# Allegro board RK3588S_Template_LP4XD200P232SD10H2_30X30_2133MHz_H1R0_V11_20220218YWQ.brd (continued)
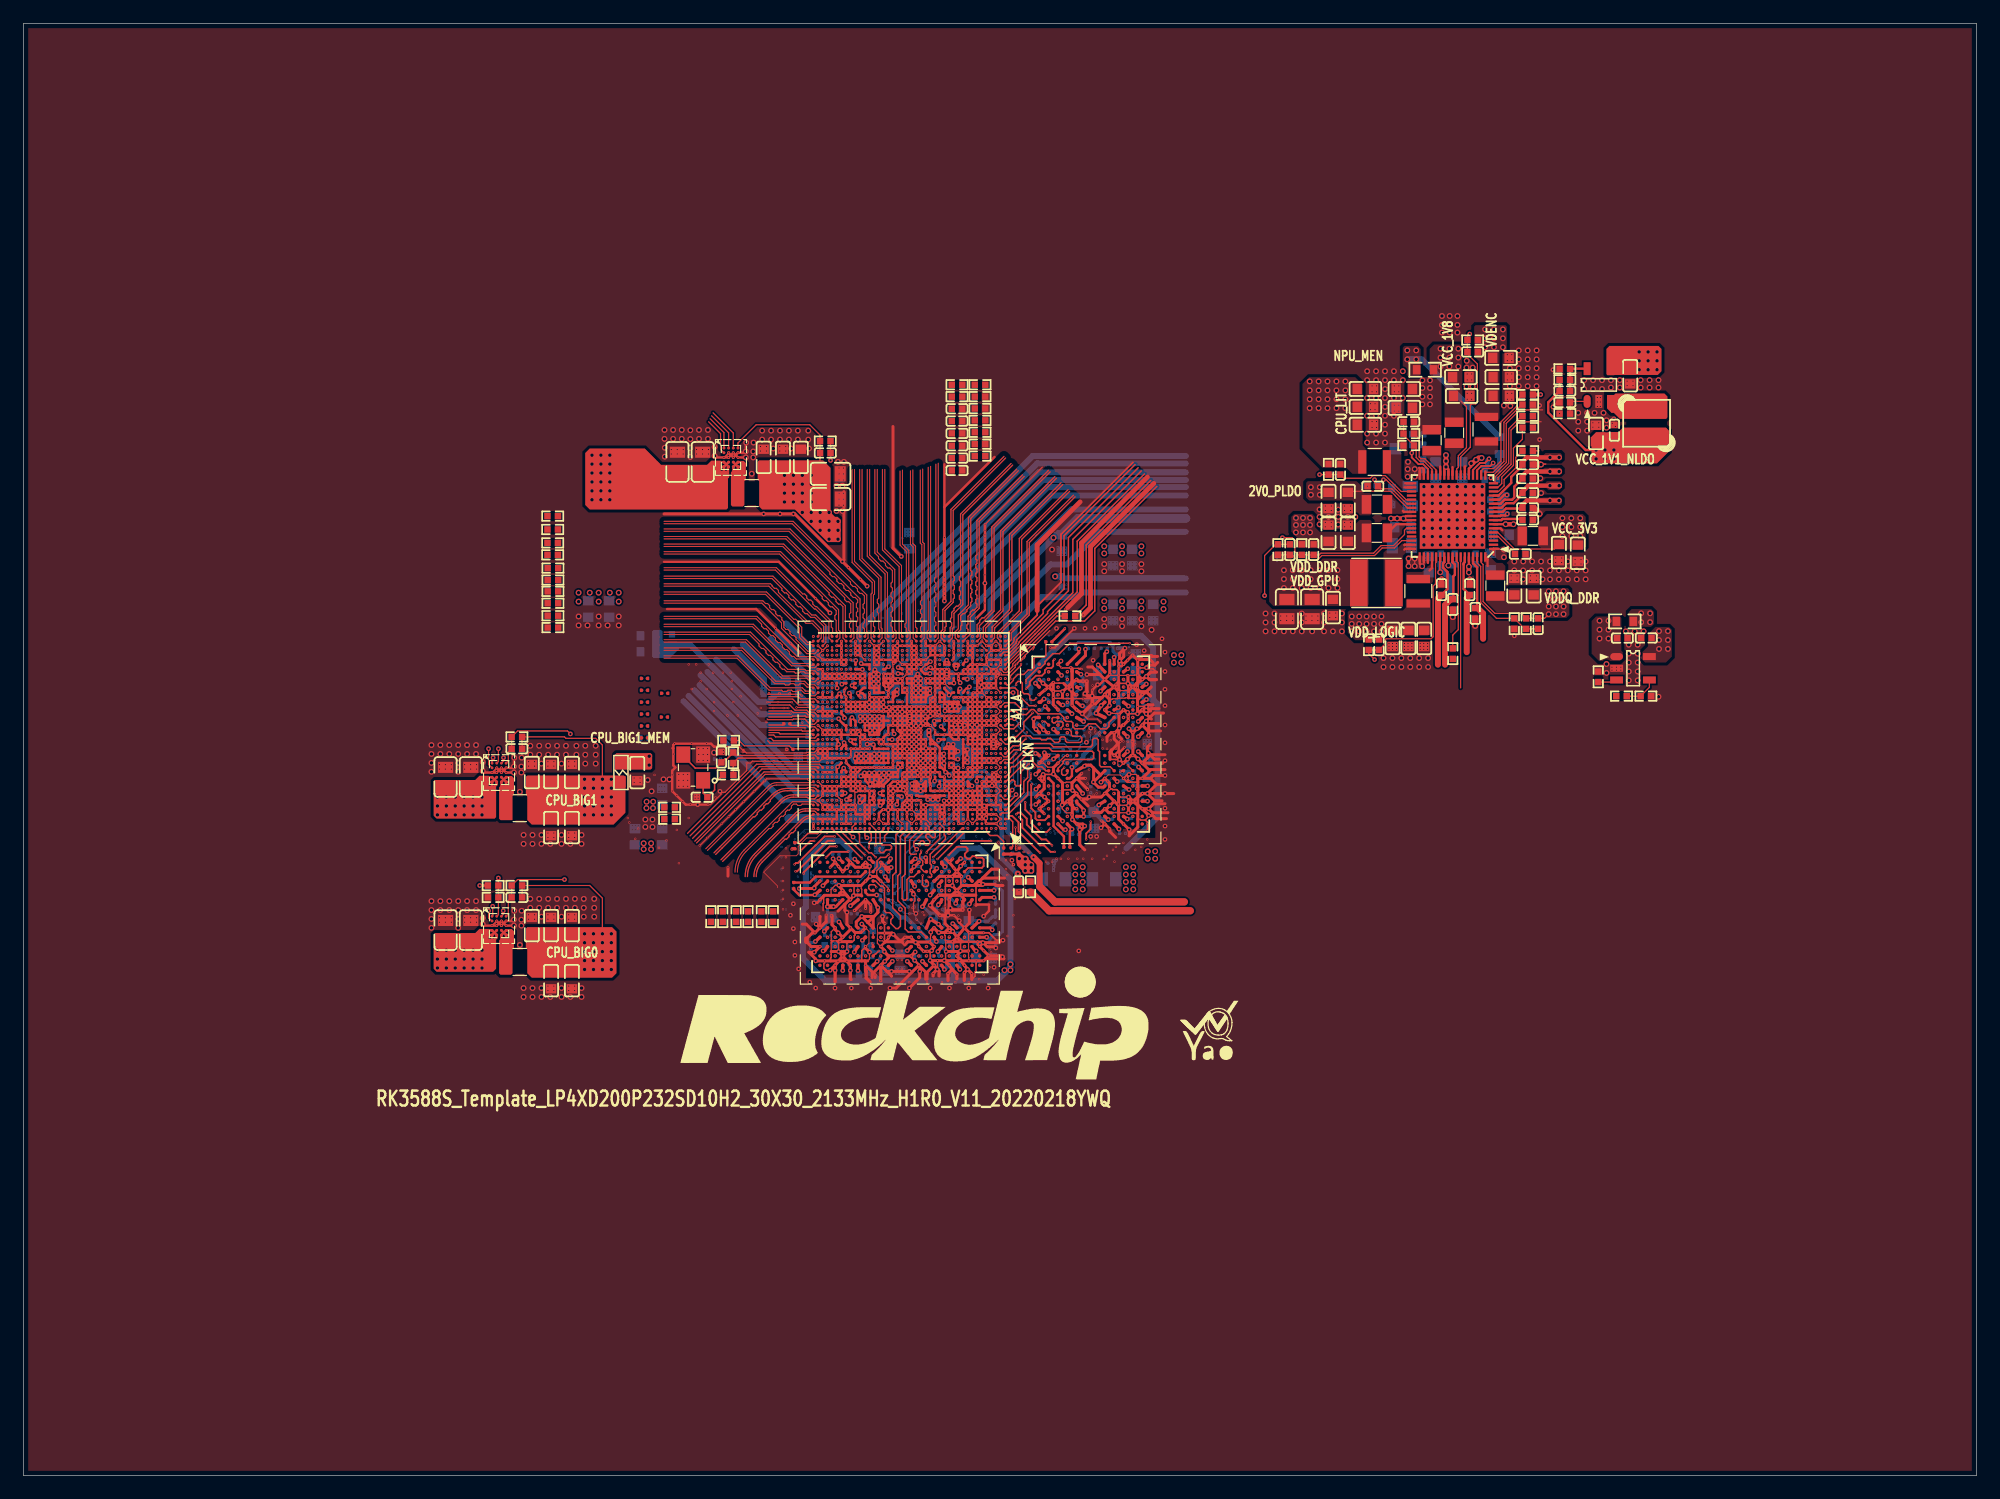
[diagram p0: board, top side]
## Routing (per net, layer and track width the routed paths; a pad name or vN(x,y) marks a point on that pad's centre or on a via; arc(x,y) is an arc through that point) (continued)
  L8-S3 w0.076: v3(89.66,66.4) 89.66,65.79 89.07,65.19 89.07,63.16 88.26,62.36 87.12,62.36 86.96,62.52 85.6,62.52 85.43,62.36 84.84,62.36 83.44,63.75 82.68,63.75 82.42,64.01 v3(82.42,64.01)
DDR_CH0_DQ4_B: length 11.4
  L3-S1 w0.076: v3(83.12,60.92) 83.09,60.9 83.09,60.9 v2(82.69,60.5) ; v2(89.19,58.92) 89.43,58.92 v3(89.53,59.03)
  L8-S3 w0.076: v3(89.53,59.03) 89.66,58.9 89.88,58.9 89.96,58.97 89.96,59.57 89.85,59.68 89.74,59.68 89.56,59.5 89.45,59.5 89.34,59.61 89.34,59.72 89.58,59.97 89.58,60.08 89.47,60.19 89.36,60.19 89.12,59.95 89.01,59.95 88.89,60.06 88.89,60.17 89.05,60.32 89.05,60.43 88.74,60.74 85.31,60.74 84.71,61.34 83.2,61.34 83.12,61.26 v3(83.12,60.92)
DDR_CH0_DQ5_A: length 10.4
  L3-S1 w0.076: v2(82.29,64.88) 82.29,64.65 v3(82.36,64.58) ; v2(89.19,66.72) v3(88.97,66.51)
  L8-S3 w0.076: v3(88.97,66.51) 88.13,65.66 87.85,65.66 87.54,65.97 87.54,66.5 87.19,66.86 87.19,67.16 86.98,67.36 86.66,67.36 86.61,67.31 85.16,67.31 85.09,67.23 85.09,66.86 83.56,65.33 82.77,65.33 v4(82.36,64.92) v3(82.36,64.58)
DDR_CH0_DQ5_B: length 11.4
  L3-S1 w0.076: v2(83.09,60.5) 83.23,60.36 83.85,60.36 84.14,60.65 v3(84.14,60.88) ; v3(89.45,58.06) v2(89.24,58.27)
  L8-S3 w0.076: v3(84.14,60.88) 84.35,61.08 84.6,61.08 85.35,60.33 85.35,60.2 85.64,59.92 85.99,59.92 86.4,60.33 88.26,60.33 88.53,60.06 88.53,59.95 88.26,59.68 88.26,59.57 88.37,59.46 88.48,59.46 88.75,59.73 88.86,59.73 89.17,59.42 89.17,59.19 89.09,59.11 88.72,59.11 88.65,59.03 88.65,58.88 88.72,58.8 89.16,58.8 89.26,58.69 89.26,58.51 89.17,58.42 89.17,58.14 89.25,58.06 v3(89.45,58.06)
DDR_CH0_DQ6_A: length 11.1
  L3-S1 w0.076: v2(89.19,68.02) 89.43,67.78 90.1,67.78 90.2,67.88 90.2,68.13 89.8,68.52 89.45,68.52 89.39,68.46 89.27,68.46 89.12,68.46 88.98,68.6 88.98,68.75 88.76,68.96 87.19,68.96 86.11,67.87 86.11,66.48 84.8,65.17 83.77,65.17 v2(83.49,64.9)
DDR_CH0_DQ6_B: length 13.9
  L3-S1 w0.076: v2(89.21,56.93) 89.15,57 89.15,57.64 89.23,57.72 89.73,57.72 89.92,57.53 90.22,57.53 90.3,57.45 90.3,57.15 90.16,57.01 89.8,57.01 89.37,56.58 88.51,56.58 88.24,56.32 87.54,56.32 86.88,56.98 86.39,56.98 86.02,57.36 86.02,58.24 85.95,58.31 85.95,58.45 85.37,59.02 85.37,59.21 84.86,59.73 84.86,59.84 85,59.98 85,60.47 84.25,61.22 83.24,61.22 82.76,61.7 v2(82.69,61.7)
DDR_CH0_DQ7_A: length 10.6
  L3-S1 w0.076: v2(89.22,68.7) 89.3,68.78 89.7,68.78 89.78,68.86 89.78,69.16 89.5,69.44 88.99,69.44 88.76,69.22 88.37,69.22 88.29,69.3 88.29,69.39 88.22,69.47 88.06,69.47 87.98,69.39 87.98,69.3 87.9,69.22 87.09,69.22 85.89,68.02 85.89,66.53 84.71,65.35 83.15,65.35 v2(83.09,65.3)
DDR_CH0_DQ7_B: length 12.1
  L3-S1 w0.076: v3(86.58,56.66) 86.85,56.66 87.45,56.06 88.33,56.06 88.59,56.32 v2(89.19,56.32) ; v2(82.29,60.5) 82.05,60.5 v3(82,60.55)
  L8-S3 w0.076: v3(86.58,56.66) 84.23,56.66 83.87,57.03 83.75,57.03 83.65,56.92 83.54,56.92 83.43,57.04 83.43,57.15 83.53,57.25 83.53,57.36 83.42,57.48 83.31,57.48 83.2,57.37 83.09,57.37 82.98,57.48 82.98,57.59 83.09,57.7 83.09,57.81 82.98,57.92 82.86,57.92 82.76,57.82 82.65,57.82 82.54,57.93 82.54,58.04 82.62,58.12 82.62,58.23 82.5,58.34 82.39,58.34 82.31,58.26 82.2,58.26 82.09,58.37 82.09,58.48 82.17,58.56 82.17,58.67 82,58.85 v3(82,60.55)
DDR_CH0_DQ8_A: length 16.6
  TOP w0.122: v2(85.24,69.35) 85.24,69.24 84.33,68.33 v2(84.33,68.06)
  L3-S1 w0.076: v2(82.29,66.9) 82.85,67.46 83.08,67.46 83.26,67.64 83.95,67.64 84.33,68.03 v2(84.33,68.06) ; v2(94.79,68.67) 94.79,69.17 93.85,70.1 93.6,70.1 93.48,70.23 93.48,70.48 93.34,70.62 93.23,70.62 93.15,70.54 93.04,70.54 92.93,70.65 92.93,70.76 93.01,70.84 93.01,70.95 92.42,71.54 87.43,71.54 v2(85.24,69.35)
DDR_CH0_DQ8_B: length 16.4
  L3-S1 w0.076: v2(82.29,57.7) 82.45,57.54 82.45,57.39 83.21,56.63 83.57,56.63 84.17,56.03 84.26,56.03 84.66,55.64 84.66,54.54 85.64,53.55 91.99,53.55 93.3,54.86 93.87,54.86 93.95,54.94 93.95,55.15 94.79,55.99 v2(94.79,56.32)
DDR_CH0_DQ9_A: length 17.9
  L3-S1 w0.076: v2(82.29,68.1) 82.9,68.71 83,68.71 84.23,69.93 85.14,69.93 85.51,70.3 85.51,70.32 87.24,72.05 92.63,72.05 93.64,71.04 94.25,71.04 95.5,69.78 95.5,68.62 94.94,68.06 94.83,68.06 94.83,68.06 v2(94.82,68.06)
DDR_CH0_DQ9_B: length 17.3
  TOP w0.152: v2(88.12,53.3) 87.76,53.3 87.21,53.85 86.86,53.85 85.34,55.36 85.34,56.01 v2(85.09,56.26)
  L3-S1 w0.076: v2(85.09,56.26) 85.09,56.58 83.17,58.5 v2(83.09,58.5) ; v2(94.79,56.97) 95.05,56.72 95.05,55.28 94.37,54.61 93.38,54.61 92.07,53.3 v2(88.12,53.3)
DDR_CH0_DQ10_A: length 18
  L3-S1 w0.076: v2(82.69,68.1) 83.43,68.84 84.28,69.69 85.21,69.69 87.32,71.79 92.53,71.79 95.12,69.2 95.12,68.58 94.93,68.39 94.71,68.39 94.56,68.24 94.56,67.97 94.79,67.74 v2(94.79,66.72)
DDR_CH0_DQ10_B: length 19.4
  TOP w0.152: v2(86.87,53.21) 86.84,53.21 85.02,55.04 85.02,55.82 84.48,56.37 v2(84.18,56.37)
  L3-S1 w0.076: v2(94.79,58.27) 94.79,57.99 95.03,57.75 95.03,57.11 95.31,56.84 95.31,55.2 94.46,54.35 93.47,54.35 92.16,53.04 88.09,53.04 87.92,52.87 87.27,52.87 86.93,53.21 v2(86.87,53.21) ; v2(84.18,56.37) 83.65,56.9 83.31,56.9 82.69,57.52 v2(82.69,57.7)
DDR_CH0_DQ11_A: length 20.6
  L3-S1 w0.076: v2(81.89,66.5) 82.11,66.28 82.95,66.28 83.21,66.02 84.64,66.02 85.27,66.66 85.27,67.77 86.98,69.47 87.56,69.47 87.79,69.71 87.79,70.39 88.06,70.66 88.19,70.66 88.52,70.99 91.44,70.99 93.09,69.34 v3(93.22,69.34) ; v3(94.06,66.11) 94.76,66.11 v2(94.79,66.07)
  L8-S3 w0.076: v3(94.06,66.11) 94.55,66.11 v4(94.83,66.38) 94.83,67.85 93.34,69.34 v3(93.22,69.34)
DDR_CH0_DQ11_B: length 18.3
  TOP w0.152: v2(90.8,54.36) 90.8,54.86 91.19,55.24 v2(91.19,55.88)
  L3-S1 w0.076: v2(90.8,54.36) 87.61,54.36 87.47,54.49 86.97,54.49 86.54,54.07 85.89,54.07 85.22,54.74 85.22,55.7 84.58,56.34 84.58,56.54 83.72,57.4 83.44,57.4 83.22,57.63 83.22,57.98 v2(82.69,58.5) ; v2(91.19,55.88) 91.19,55.89 92.23,56.93 92.23,57.81 92.95,58.53 93.2,58.53 93.84,59.17 94.25,59.17 94.47,58.95 94.72,58.95 v2(94.74,58.92)
DDR_CH0_DQ12_A: length 15
  L3-S1 w0.076: v3(91.73,66.27) 91.83,66.37 92.07,66.37 92.2,66.23 92.46,66.23 92.54,66.32 92.75,66.32 93,66.07 v2(93.19,66.07) ; v2(83.09,66.49) 83.11,66.49 83.37,66.24 84.62,66.24 85.07,66.68 85.07,67.92 85.85,68.71 85.85,68.87 86.83,69.85 v3(86.95,69.85)
  L8-S3 w0.076: v3(86.95,69.85) 87.29,69.51 88.03,69.51 88.83,68.71 88.83,68.71 89.03,68.51 89.03,67.94 89.28,67.69 89.57,67.69 89.91,67.35 89.91,67.14 91.13,65.91 91.38,65.91 v3(91.73,66.27)
DDR_CH0_DQ12_B: length 16.5
  TOP w0.152: v2(87.73,55.29) 87.44,55 86.86,55 86.11,55.75 86.11,56.39 85.6,56.9 85.6,57.53 v2(85.6,57.53)
  L3-S1 w0.076: v2(93.19,58.92) 93.07,58.8 92.8,58.8 91.04,57.04 91.04,56.24 90.68,55.88 90.17,55.88 89.99,55.7 89.13,55.7 88.94,55.51 88.61,55.51 88.52,55.6 88.07,55.6 87.76,55.29 v2(87.73,55.29) ; v2(85.6,57.53) 85.6,58.04 85.47,58.17 85.47,58.33 84.84,58.97 84.84,59.18 84.38,59.64 82.73,59.64 82.29,60.07 v2(82.29,60.1)
DDR_CH0_DQ13_A: length 14.2
  L3-S1 w0.076: v3(87.45,70.56) 87.45,70.57 87.19,70.57 85.47,68.85 85.47,68.58 84.14,67.25 83.38,67.25 83.11,66.98 v2(83.11,66.92) ; v2(93.14,66.72) 93.09,66.78 93.09,67.12 92.78,67.44 92.65,67.44 91.95,68.14 91.44,68.14 v3(91.31,68.01)
  L8-S3 w0.076: v3(91.31,68.01) 90.23,68.01 89.65,68.59 89.65,69.23 88.9,69.98 88.65,69.98 88.52,70.1 88.52,70.36 88.31,70.57 87.46,70.57 v3(87.45,70.56)
DDR_CH0_DQ13_B: length 14.7
  L3-S1 w0.076: v2(93.14,58.27) 92.47,57.61 92.47,56.81 90.5,54.85 87.75,54.85 86.26,56.33 86.26,56.79 85.82,57.24 85.82,58.07 85.72,58.17 85.72,58.37 85.09,59 85.09,59.14 84.36,59.87 83.72,59.87 v2(83.49,60.1)
DDR_CH0_DQ14_A: length 17.1
  TOP w0.145: 87.83,69 87.46,69 87.27,68.81 87.27,68.6 87.02,68.35 86.51,68.35 86.49,68.33
  TOP w0.152: v2(88.1,69.76) 87.98,69.63 87.98,69.15 87.83,69 ; 86.49,68.33 85.98,67.82 85.98,67.55 v2(85.67,67.24)
  L3-S1 w0.076: v2(88.1,69.76) 88.17,69.76 88.36,69.94 89.05,69.94 89.12,69.86 89.12,69.8 89.2,69.72 89.36,69.72 89.44,69.8 89.44,69.84 89.52,69.92 89.67,69.92 89.75,69.84 89.75,69.55 89.83,69.47 89.99,69.47 90.07,69.55 90.07,69.84 90.15,69.92 90.61,69.92 90.71,69.82 90.71,69.65 90.56,69.51 90.56,69.4 90.68,69.28 90.79,69.28 90.93,69.43 91.04,69.43 91.15,69.32 91.15,69.2 91.01,69.06 91.01,68.95 91.12,68.84 91.23,68.84 91.37,68.98 91.49,68.98 91.6,68.87 91.6,68.76 91.45,68.62 91.45,68.5 91.57,68.39 91.68,68.39 91.82,68.54 91.93,68.54 92.77,67.69 92.97,67.69 93.19,67.92 v2(93.19,68.02) ; v2(85.67,67.24) 85.67,66.58 84.65,65.57 82.96,65.57 v2(82.69,65.3)
DDR_CH0_DQ14_B: length 16.3
  L3-S1 w0.076: v2(82.29,58.5) 82.97,57.82 82.97,57.58 83.4,57.15 83.71,57.15 84.4,56.46 84.4,56.19 84.96,55.63 84.96,54.61 85.76,53.81 86.65,53.81 87.08,54.23 87.39,54.23 87.52,54.1 91.82,54.1 92.65,54.93 92.65,55.12 93.45,55.92 93.45,56.72 v2(93.19,56.97)
DDR_CH0_DQ15_A: length 16.2
  L3-S1 w0.076: v3(88.13,70.22) 88.16,70.2 91.75,70.2 91.85,70.09 91.85,69.98 91.8,69.93 91.8,69.82 91.91,69.7 92.02,69.7 92.07,69.76 92.19,69.76 92.3,69.65 92.3,69.54 92.24,69.48 92.24,69.37 92.35,69.26 92.46,69.26 92.52,69.31 92.63,69.31 92.74,69.2 92.74,69.09 92.59,68.94 92.59,68.83 92.74,68.67 93.12,68.67 v2(93.2,68.75) ; v3(82.82,65.9) 82.82,65.75 82.39,65.32 v2(82.29,65.32)
  L8-S3 w0.076: v3(82.82,65.9) 83.22,66.29 83.22,67.47 83.57,67.82 83.57,69.22 84.07,69.72 86.23,69.72 86.73,70.22 v3(88.13,70.22)
DDR_CH0_DQ15_B: length 16.4
  L3-S1 w0.076: v2(93.19,56.32) 93.19,56 92.41,55.22 92.41,55.03 92.33,54.95 91.77,54.95 91.71,55.01 91.71,55.33 91.6,55.44 91.49,55.44 91.3,55.25 91.3,55.08 91.23,55 91.05,55 90.65,54.6 87.68,54.6 86.07,56.21 86.07,56.68 85.38,57.37 85.38,57.87 85.22,58.03 85.22,58.29 84.59,58.92 84.59,59.16 84.32,59.44 83.18,59.44 83.06,59.31 82.68,59.31 82.42,59.56 82.17,59.56 81.89,59.84 v2(81.89,60.1)
DDR_CH0_DQS0N_A: length 7.5
  L3-S1 w0.064: v3(84.21,68.94) 84.32,68.83 84.32,68.74 84.26,68.68 83.95,68.68 83.68,68.4 83.68,68.29 v2(83.49,68.1) ; v2(88.42,66.7) 88.21,66.7 v3(88.13,66.61)
  L8-S3 w0.064: v3(84.21,68.94) 84.4,68.75 84.4,68.7 84.7,68.41 v4(84.84,68.41) 85.44,68.41 85.63,68.6 85.82,68.6 85.93,68.49 86.12,68.49 86.23,68.6 87.03,68.6 87.32,68.31 87.32,68.13 87.45,68 87.45,67.48 87.59,67.34 87.59,67.02 87.8,66.81 87.93,66.81 v3(88.13,66.61)
DDR_CH0_DQS0N_B: length 7.3
  L3-S1 w0.064: v2(88.42,58.25) 88.31,58.25 v3(88.13,58.07) ; v2(83.89,55.7) 83.89,55.7 v3(84.2,55.39)
  L8-S3 w0.064: v3(84.2,55.39) 84,55.2 84,55.06 84.06,55 84.46,55 85.35,55.89 86.96,55.89 87.51,56.44 87.51,57.44 87.85,57.79 87.95,57.79 88.13,57.97 v3(88.13,58.07)
DDR_CH0_DQS0P_A: length 7.1
  L3-S1 w0.064: v3(88.13,67.18) 88.3,67.35 v2(88.42,67.35) ; v3(84.77,68.94) 84.33,68.5 84.03,68.5 83.85,68.33 83.85,68.14 v2(83.89,68.1)
  L8-S3 w0.064: v3(88.13,67.18) 87.93,66.98 87.87,66.98 87.76,67.09 87.76,67.42 87.62,67.55 87.62,68.07 87.49,68.2 87.49,68.38 87.1,68.77 85.47,68.77 v4(85.44,68.74) 85.28,68.58 84.99,68.58 84.93,68.64 84.71,68.64 84.64,68.7 84.64,68.82 v3(84.77,68.94)
DDR_CH0_DQS0P_B: length 7.3
  L3-S1 w0.064: v2(88.42,57.6) 88.41,57.59 88.21,57.59 v3(88.13,57.5) ; v2(83.49,55.7) 83.49,55.53 v3(83.63,55.39)
  L8-S3 w0.064: v3(88.13,57.5) 88.02,57.61 87.93,57.61 87.68,57.37 87.68,56.37 87.03,55.72 85.42,55.72 84.53,54.83 83.99,54.83 83.83,54.99 83.83,55.2 v3(83.63,55.39)
DDR_CH0_DQS1N_A: length 13.5
  L3-S1 w0.064: v3(84.94,70.43) 84.75,70.61 83.95,70.61 83.47,70.14 83.13,70.14 v2(83.09,70.1) ; v2(94.04,66.72) 94,66.77 v3(93.74,66.77)
  L8-S3 w0.064: v3(93.74,66.77) 93.5,67.01 v4(93.46,67.01) 93.17,67.01 92.73,67.46 92.64,67.46 91.09,69.01 90.82,69.01 88.58,71.25 86.99,71.25 86.36,70.63 85.13,70.63 v3(84.94,70.43)
DDR_CH0_DQS1N_B: length 15.5
  L3-S1 w0.064: v3(93.71,58.21) 93.98,58.21 v2(94.02,58.25) ; v3(85.91,54.85) 86.11,55.05 86.11,55.44 85.46,56.09 85.46,56.62 83.7,58.37 83.7,58.69 v2(83.49,58.9)
  L8-S3 w0.064: v3(93.71,58.21) 93.49,57.99 93.26,57.99 92.83,58.42 91.98,58.42 91.2,57.65 90.34,57.65 89.58,56.88 88.7,56.88 87.99,56.16 87.99,55.66 87.69,55.36 86.28,55.36 86.11,55.2 86.11,55.05 v3(85.91,54.85)
DDR_CH0_DQS1P_A: length 13.9
  L3-S1 w0.064: v3(93.74,67.33) 94,67.33 v2(94.04,67.37) ; v3(84.94,70.99) 84.73,70.79 83.88,70.79 83.4,70.31 83,70.31 82.79,70.1 v2(82.69,70.1)
  L8-S3 w0.064: v3(84.94,70.99) 85.13,70.8 86.29,70.8 86.92,71.42 88.65,71.42 90.9,69.18 91.16,69.18 92.71,67.63 92.8,67.63 92.96,67.46 v4(93.05,67.46) 93.05,67.38 93.18,67.24 93.65,67.24 v3(93.74,67.33)
DDR_CH0_DQS1P_B: length 15.1
  L3-S1 w0.064: v2(94.02,57.6) 93.98,57.64 v3(93.71,57.64) ; v2(83.89,58.9) 83.88,58.88 83.88,58.45 85.63,56.69 85.63,56.16 86.28,55.51 86.28,55.05 v3(86.47,54.85)
  L8-S3 w0.064: v3(86.47,54.85) 86.29,55.04 86.29,55.13 86.35,55.19 87.77,55.19 88.16,55.58 88.16,56.09 88.77,56.71 89.65,56.71 90.41,57.47 91.27,57.47 92.05,58.25 92.76,58.25 93.19,57.81 93.54,57.81 v3(93.71,57.64)
DDR_CH0_LP4/4X_CKE0/LP5_CS0_A: length 8.7
  TOP w0.122: U1000.AK1 v1(84.56,66.9)
  BOTTOM w0.122: R3810.1 89.42,63.22 89.34,63.3 86.31,63.3 85.41,64.2 85.41,65.82 84.56,66.67 v1(84.56,66.9)
DDR_CH0_LP4/4X_CKE0/LP5_CS0_B: length 9
  TOP w0.102: U1000.H2 83.81,57.78
  TOP w0.122: v1(84.48,58.57) 84.33,58.42 84.33,58.04 84.07,57.78 83.81,57.78
  BOTTOM w0.122: v1(84.48,58.57) 84.96,59.05 84.96,61.44 85.68,62.15 88.69,62.15 R3812.2
DDR_CH0_LP4/4X_CKE1/LP5_CS1_A: length 7.9
  TOP w0.122: U1000.AD1 84.03,64.64 84.64,64.64 v1(84.66,64.67)
  BOTTOM w0.122: v1(84.66,64.67) 84.96,64.37 84.96,64.01 86.06,62.92 89.18,62.92 89.3,62.8 90.11,62.8 90.52,63.22 R3811.1
DDR_CH0_LP4/4X_CKE1/LP5_CS1_B: length 11.2
  TOP w0.122: v1(84.81,58.19) 84.81,58.14 83.97,57.3 U1000.F1
  BOTTOM w0.122: v1(84.81,58.19) 84.66,58.04 84.33,58.04 84.07,58.29 84.07,58.86 84.58,59.37 84.58,61.59 85.52,62.53 88.94,62.53 R3813.2
DDR_CH0_LP4/4X_CS0_A: length 12.1
  TOP w0.102: U1000.Y2 83.9,62.49
  TOP w0.122: v2(88.95,63.8) 88.97,63.79 89.32,63.79 89.53,63.57 89.53,63.28 89.66,63.16 90.3,63.16 90.42,63.04 90.42,62.77 90.3,62.64 89.16,62.64 89.04,62.77 89.04,63 88.91,63.12 88.67,63.12 88.55,63 88.55,62.77 88.43,62.64 88.1,62.64 87.76,62.99 87.5,62.99 87.38,62.87 86.99,62.87 86.87,62.99 86.23,62.99 86.02,63.21 85.36,63.21 84.89,62.74 84.45,62.74 84.2,62.49 83.9,62.49
  L3-S1 w0.064: v2(88.95,63.8) 88.98,63.83 88.98,64.17 89.43,64.62 89.43,64.71 89.37,64.77 v2(89.19,64.77)
DDR_CH0_LP4/4X_CS0_B: length 11.1
  TOP w0.122: v2(85.89,60.81) 85.22,60.13 85.22,59.05 85.1,58.93 84.83,58.93 84.71,59.05 84.71,59.31 84.58,59.44 84.45,59.44 84.18,59.16 84.18,58.78 83.9,58.5 U1000.J1 ; U3800.R4 89.22,60.2 89.22,60.03 89.03,59.84 88.83,59.84 88.7,59.96 88.7,60.27 v2(88.93,60.49)
  L3-S1 w0.064: v2(88.93,60.49) 88.8,60.36 88.8,60.27 88.86,60.21 89.2,60.21 89.25,60.26 89.25,60.55 88.93,60.87 88.75,60.87 88.68,60.8 88.68,60.55 88.62,60.49 88.55,60.49 88.49,60.55 88.49,60.73 88.43,60.79 88.34,60.79 88.24,60.69 87.67,60.69 87.65,60.67 86.74,60.67 86.65,60.76 85.94,60.76 v2(85.89,60.81)
DDR_CH0_LP4/4X_CS1_A: length 10.2
  TOP w0.122: U3800.H3 87.97,64.77 87.9,64.7 87.9,64.42 88,64.32 88.14,64.32 88.26,64.44 88.7,64.44 88.82,64.32 88.82,64.06 88.65,63.88 v2(88.65,63.8) ; U1000.AC1 84.04,64.25 84.21,64.25 84.34,64.12 v2(84.56,64.12)
  L3-S1 w0.064: v2(88.65,63.8) 88.65,64.16 88.97,64.49 88.97,64.7 88.77,64.9 88.28,64.9 88.22,64.83 88.22,64.32 88,64.1 87.74,64.1 87.68,64.04 87.68,63.91 87.62,63.84 87.5,63.84 87.11,64.23 86.96,64.23 86.79,64.05 86.64,64.05 86.43,64.26 86.3,64.26 86.23,64.2 86.23,64.15 86.17,64.09 85.58,64.09 85.51,64.02 84.99,64.02 84.9,64.1 84.8,64.1 84.72,64.02 84.62,64.02 84.56,64.08 v2(84.56,64.12)
DDR_CH0_LP4/4X_CS1_B: length 13.1
  TOP w0.122: U1000.M1 83.9,59.7 84.33,60.13 84.33,60.45 84.45,60.58 84.71,60.58 86.3,62.17 87.63,62.17
  TOP w0.127: U3800.R3 88.39,60.43 88.83,60.87 88.83,61.03 88.99,61.19 91.31,61.19 91.44,61.32 91.44,61.76 91.31,61.89 87.91,61.89 87.63,62.17
DDR_CH1_A0_C: length 9.2
  TOP w0.102: 77.38,55.41 U1000.B18
  TOP w0.122: U3801.H2 76.96,51.6 76.71,51.85 76.71,52.07 76.83,52.2 76.83,52.51 76.58,52.77 76.58,53.09 76.71,53.21 v2(76.71,53.39) ; 77.38,55.41 77.38,55.21 77.47,55.12 77.66,55.12 77.91,54.87 77.91,54.59 77.83,54.51 77.67,54.51 77.37,54.81 77.21,54.81 77.1,54.7 77.1,54.54 77.44,54.2 77.44,54.02 77.27,53.85 77.09,53.85 76.98,53.95 76.98,54.12 76.87,54.23 76.71,54.23 76.54,54.06 76.54,53.88 v2(76.58,53.85)
  L3-S1 w0.079: v2(76.71,53.39) 76.84,53.39 76.92,53.47 76.92,54.15 76.69,54.37 76.55,54.37 76.47,54.29 76.47,53.96 v2(76.58,53.85)
DDR_CH1_A0_D: length 10.4
  TOP w0.122: U3801.R2 72.6,51.68 72.94,52.02 72.94,52.53 73.23,52.82 73.67,52.82 v2(73.94,53.09) ; v2(73.58,54.23) 73.58,54.66 73.89,54.97 U1000.A26
  L3-S1 w0.064: v3(73.34,54.02) 73.56,54.23 v2(73.58,54.23) ; v3(73.65,52.96) 73.78,53.09 v2(73.94,53.09)
  L8-S3 w0.064: v3(73.34,54.02) 73.37,53.99 73.37,53.83 73.26,53.72 72.97,53.72 72.91,53.66 72.91,53.23 72.97,53.17 73.09,53.17 73.15,53.11 73.15,52.98 73.09,52.92 72.87,52.92 72.81,52.85 72.81,52.51 72.91,52.4 72.91,52.26 72.97,52.19 73.09,52.19 73.15,52.13 73.15,52 73.09,51.94 72.97,51.94 72.91,51.88 72.91,51.71 72.97,51.64 73.11,51.64 73.28,51.82 73.72,51.82 73.79,51.88 73.79,52.01 73.72,52.07 73.51,52.07 73.26,52.32 73.26,52.82 73.41,52.96 v3(73.65,52.96)
DDR_CH1_A1_C: length 9.8
  TOP w0.122: U3801.J2 76.08,51.17 75.74,51.17 75.49,50.92 75.49,49.29 75.37,49.17 75.2,49.17 75.08,49.29 75.08,51.12 75.34,51.38 75.34,54.48 75.89,55.04 U1000.A21
DDR_CH1_A1_D: length 12.1
  TOP w0.122: U1000.A27 73.49,55.2 73.2,54.91 73.2,54.05 73.37,53.88 74.05,53.88 74.17,53.76 74.17,53.59 74.05,53.47 73.71,53.47 73.48,53.24 73.25,53.24 73.13,53.36 73.13,53.57 v2(73.17,53.61)
  L3-S1 w0.064: v2(73.17,53.61) 73.17,53.36 73.32,53.22 73.32,52.42 73.26,52.36 73.26,51.97 73.33,51.91 73.76,51.91 73.81,51.86 73.81,51.77 73.7,51.66 73.7,51.57 73.79,51.48 73.88,51.48 73.99,51.59 74.08,51.59 74.18,51.49 74.18,51.36 74.12,51.3 74.03,51.3 73.97,51.24 73.97,51.11 74.03,51.05 74.3,51.05 74.36,50.98 74.36,50.09 74.3,50.02 74.21,50.02 74.04,50.19 74.04,50.74 73.93,50.85 73.72,50.85 73.66,50.79 73.66,50.66 73.59,50.59 73.48,50.59 73.41,50.66 73.41,50.92 73.3,51.03 73.3,51.6 v2(73.28,51.63)
DDR_CH1_A2_C: length 11.7
  TOP w0.122: U1000.B22 75.49,55.18 74.93,54.62 74.93,51.47 74.7,51.24 74.7,49.13 75.34,48.5 75.34,46.71 75.6,46.44 76.71,46.44 U3801.H9
DDR_CH1_A2_D: length 11.9
  TOP w0.122: U1000.A30 72.29,54.96 72.44,54.81 72.44,54.28 72.26,54.1 v2(72.26,53.59) ; v2(72.6,46.32) U3801.R9
  L3-S1 w0.064: v2(72.6,46.32) 72.5,46.32 72.39,46.44 72.39,46.52 72.45,46.57 72.54,46.57 72.59,46.63 72.59,46.71 72.54,46.76 72.43,46.76 72.37,46.82 72.37,46.91 72.44,46.97 72.55,46.97 72.61,47.03 72.61,47.16 72.55,47.23 72.44,47.23 72.37,47.29 72.37,47.42 72.44,47.48 72.67,47.48 72.73,47.54 72.73,47.67 72.67,47.73 72.44,47.73 72.37,47.8 72.37,47.92 72.52,48.07 72.52,48.18 72.36,48.33 72.36,50.73 72.68,51.05 72.68,51.32 72.48,51.52 72.3,51.52 72.25,51.57 72.25,51.67 72.3,51.72 72.55,51.72 72.64,51.81 72.64,52.17 72.6,52.22 72.6,52.97 72.53,53.03 72.42,53.03 72.41,53.05 72.3,53.05 72.21,53.14 72.21,53.54 v2(72.26,53.59)
DDR_CH1_A3_C: length 13
  TOP w0.122: v2(78.09,52.68) 78.11,52.68 80.42,54.99 81.18,54.99 U1000.A7
  L3-S1 w0.064: v2(78.09,52.68) 78.01,52.6 78.01,52.33 77.7,52.02 77.7,51.68 77.87,51.51 77.87,50.25 78.43,49.69 78.43,49.39 78.51,49.32 78.51,48.41 77.85,47.76 77.85,47.34 77.85,47.34 77.85,46.97 77.85,46.97 77.85,46.2 77.45,45.79 77.45,45.49 v2(77.15,45.2)
DDR_CH1_A3_D: length 11.2
  TOP w0.122: v2(71.92,53) 71.91,53 69.89,55.01 U1000.A36 ; U3801.R10 72.6,45.38 v2(72.52,45.47)
  L3-S1 w0.064: v2(71.92,53) 71.92,52.95 71.95,52.93 71.95,51.85 72.01,51.78 72.01,50.66 72.16,50.51 72.16,48 72.17,48 72.17,47.55 72.16,47.55 72.16,47.35 72.17,47.35 72.17,46.9 72.16,46.9 72.16,46.36 72.46,46.06 72.46,45.52 v2(72.52,45.47)
DDR_CH1_A4_C: length 13.5
  TOP w0.122: U1000.A10 80.19,55.3 77.74,52.84 v2(77.74,52.83)
  L3-S1 w0.064: v2(77.74,52.83) 77.6,52.83 77.14,52.37 77.14,52.12 77.47,51.79 77.47,51.61 77.66,51.42 77.66,50.18 78.2,49.64 78.2,49.16 78.13,49.1 78.03,49.1 77.81,48.88 77.81,48.31 77.19,47.68 77.19,46.29 77.21,46.26 77.21,45.69 76.83,45.31 76.83,44.75 v2(77.17,44.42)
DDR_CH1_A4_D: length 13.5
  TOP w0.102: 70.8,55.41 U1000.B33
  TOP w0.122: 70.8,55.41 70.8,55.12 70.93,54.99 71.25,54.99 71.44,54.8 71.44,54.01 72.23,53.21 72.45,53.21 v2(72.83,52.83) ; U3801.R11 72.78,44.58 72.83,44.58 v2(73.09,44.83)
  L3-S1 w0.064: v2(72.83,52.83) 72.87,52.79 72.87,52.43 72.84,52.41 72.84,51.44 72.88,51.41 72.88,50.96 72.56,50.64 72.56,48.47 72.95,48.08 72.95,47.34 72.83,47.22 72.83,46.61 72.89,46.55 72.89,46.25 72.82,46.18 72.82,45.82 73.22,45.42 73.22,44.97 v2(73.09,44.83)
DDR_CH1_A5_C: length 12.4
  TOP w0.122: v2(77.17,53.22) 77.17,53.31 78.29,54.43 U1000.A15
  L3-S1 w0.064: v2(77.17,53.22) 77.15,53.23 77.05,53.23 76.75,52.93 76.75,52.67 76.92,52.49 76.92,52.03 77.09,51.86 77.09,50.91 77.17,50.83 77.17,50.55 76.83,50.22 76.83,49.91 76.89,49.86 76.89,49.51 76.8,49.42 76.8,49.09 77.14,48.75 77.14,47.95 76.97,47.77 76.97,45.81 76.62,45.46 76.62,44.51 v2(76.5,44.4)
DDR_CH1_A5_D: length 12.6
  TOP w0.122: U1000.A38 69.09,55.27 v2(71.64,52.72)
  L3-S1 w0.064: v2(73.2,44.4) 73.19,44.4 72.24,45.35 72.24,45.49 72.25,45.5 72.25,45.98 72.01,46.22 72.01,46.23 71.96,46.28 71.96,46.98 71.96,46.99 71.96,47.26 71.96,47.27 71.96,47.63 71.96,47.64 71.96,47.91 71.96,47.92 71.96,50.35 71.8,50.51 71.8,51.69 71.73,51.76 71.73,52.64 v2(71.64,52.72)
DDR_CH1_CLKN_C: length 11.3
  L3-S1 w0.064: v2(76.5,46) 76.5,46.22 76.44,46.28 76.25,46.28 75.73,46.8 75.73,47.29 75.82,47.37 75.82,47.73 75.44,48.11 75.44,53.08 75.66,53.3 75.66,56.25 75.89,56.49 v2(75.89,56.5)
DDR_CH1_CLKN_D: length 16.2
  L3-S1 w0.064: v2(75.09,56.5) 75.3,56.29 75.3,53.43 74.9,53.03 74.9,52.06 74.75,51.91 74.75,51.4 74.93,51.22 74.93,49.4 74.57,49.04 74.15,49.04 73.79,48.68 73.79,48.41 73.85,48.35 74.46,48.35 74.68,48.13 74.68,47.69 74.51,47.53 74.24,47.53 74.02,47.3 74.02,46.98 74.19,46.81 74.82,46.81 74.98,46.64 74.98,45.58 74.82,45.42 74.19,45.42 74,45.61 74,45.83 73.73,46.1 73.39,46.1 v2(73.29,46)
DDR_CH1_CLKP_C: length 10.6
  L3-S1 w0.064: v2(75.89,56.1) 75.83,56.04 75.83,53.23 75.62,53.01 75.62,48.18 75.99,47.8 75.99,47.3 75.91,47.21 75.91,46.87 76.33,46.45 76.44,46.45 76.5,46.51 v2(76.5,46.8)
DDR_CH1_CLKP_D: length 16
  L3-S1 w0.064: v2(73.29,46.8) 73.29,46.34 73.36,46.27 73.8,46.27 74.17,45.9 74.17,45.68 74.26,45.59 74.74,45.59 74.81,45.66 74.81,46.57 74.74,46.63 74.12,46.63 73.84,46.91 73.84,47.37 74.17,47.7 74.44,47.7 74.5,47.76 74.5,48.06 74.39,48.18 73.78,48.18 73.61,48.34 73.61,48.75 74.08,49.21 74.5,49.21 74.76,49.47 74.76,51.14 74.58,51.33 74.58,51.98 74.73,52.13 74.73,53.1 75.13,53.5 75.13,54.06 75.02,54.17 75.02,54.36 75.13,54.47 75.13,54.66 75.02,54.77 75.02,54.96 75.13,55.07 75.13,56.06 v2(75.09,56.1)
DDR_CH1_DM0_C: length 11
  L3-S1 w0.076: v2(77.49,56.9) 77.41,56.9 77.11,56.6 v3(77.1,56.6) ; v3(80.31,50.5) 80.38,50.57 v2(80.38,50.8)
  L8-S3 w0.076: v3(80.31,50.5) 79.59,49.78 78.33,49.78 77.85,50.26 77.85,51.32 76.71,52.46 76.71,53.53 76.65,53.59 76.65,53.77 76.49,53.94 76.49,55.35 77.18,56.04 77.18,56.53 v3(77.1,56.6)
DDR_CH1_DM0_D: length 13.4
  L3-S1 w0.076: v3(73.1,56.24) 73.24,56.24 v2(73.49,56.5) ; v3(68.98,52.25) 68.93,52.25 68.45,51.77 68.45,51.44 69.11,50.77 v2(69.31,50.77)
  L8-S3 w0.076: v3(68.98,52.25) 68.83,52.39 68.83,52.92 68.97,53.05 69.39,53.05 69.47,53.13 69.47,53.26 69.39,53.34 68.94,53.34 68.86,53.42 68.86,53.61 68.94,53.69 69.41,53.69 69.48,53.76 69.48,53.92 69.41,54 69.2,54 69.13,54.08 69.13,54.24 69.2,54.32 69.41,54.32 69.48,54.39 69.48,54.55 69.41,54.63 69.2,54.63 69.13,54.71 69.13,54.87 69.2,54.95 69.41,54.95 69.48,55.02 69.48,55.18 69.41,55.26 69.2,55.26 69.13,55.34 69.13,55.49 69.2,55.57 72.33,55.57 72.51,55.74 73.02,55.74 73.1,55.83 v3(73.1,56.24)
DDR_CH1_DM1_C: length 15.6
  L3-S1 w0.076: v2(80.43,45.17) v3(80.72,45.46) ; v3(83.57,47.37) 83.66,47.46 83.66,50.45 82.59,51.52 82.59,52.52 82.38,52.73 82.38,53.55 81.7,54.23 81.23,54.23 80.98,54.48 80.52,54.48 80.01,54.99 80.01,55.37 79.76,55.63 79.76,55.84 v2(79.09,56.5)
  L8-S3 w0.076: v3(83.57,47.37) 82.63,47.37 v3(80.72,45.46)
DDR_CH1_DM1_D: length 16.7
  TOP w0.152: v2(65.89,52.22) 66,52.34 66.17,52.34 67.67,53.85 67.69,53.85 68.45,54.61 v2(69.32,54.61)
  L3-S1 w0.076: v2(71.09,56.1) 71,56.1 70.15,55.24 69.98,55.24 69.34,54.61 v2(69.32,54.61) ; v2(69.35,45.2) 69.07,45.49 68,45.49 67.81,45.3 67.41,45.3 67.31,45.4 67.31,46.23 66.14,47.39 66.14,49.43 65.66,49.91 65.66,52 v2(65.89,52.22)
DDR_CH1_DQ0_C: length 9.4
  L3-S1 w0.076: v2(81.05,51.63) 81.05,51.88 80.97,51.96 80.85,51.96 80.77,51.88 80.77,51.69 80.42,51.34 80.26,51.34 80.1,51.51 80.1,51.61 80.17,51.69 80.32,51.69 80.39,51.77 80.39,51.94 80.63,52.18 80.63,52.3 80.45,52.48 80.28,52.48 80.21,52.41 79.95,52.41 79.94,52.41 79.85,52.41 79.76,52.5 79.76,52.69 79.66,52.78 79.2,52.78 79.13,52.72 78.85,52.72 78.61,52.95 78.61,53.14 76.89,54.86 76.6,54.86 76.52,54.94 76.52,55.05 76.71,55.24 76.71,55.48 76.49,55.7 v2(76.29,55.7)
DDR_CH1_DQ0_D: length 12.8
  L3-S1 w0.076: v3(74.63,53.84) 74.68,53.89 74.68,55.28 v2(74.69,55.3) ; v2(68.7,51.65) 68.96,51.65 69.71,52.41 70.34,52.41 v3(70.38,52.45)
  L8-S3 w0.076: v3(70.38,52.45) 70.7,52.77 70.7,53.02 70.69,53.03 70.69,53.67 72.01,54.99 72.52,54.99 72.75,55.23 74.2,55.23 74.6,55.63 75.23,55.63 75.44,55.42 75.44,53.97 75.3,53.84 v3(74.63,53.84)
